# Altium PCB MotherBoard_Layout.PcbDoc (part 1 of 2) (continued)
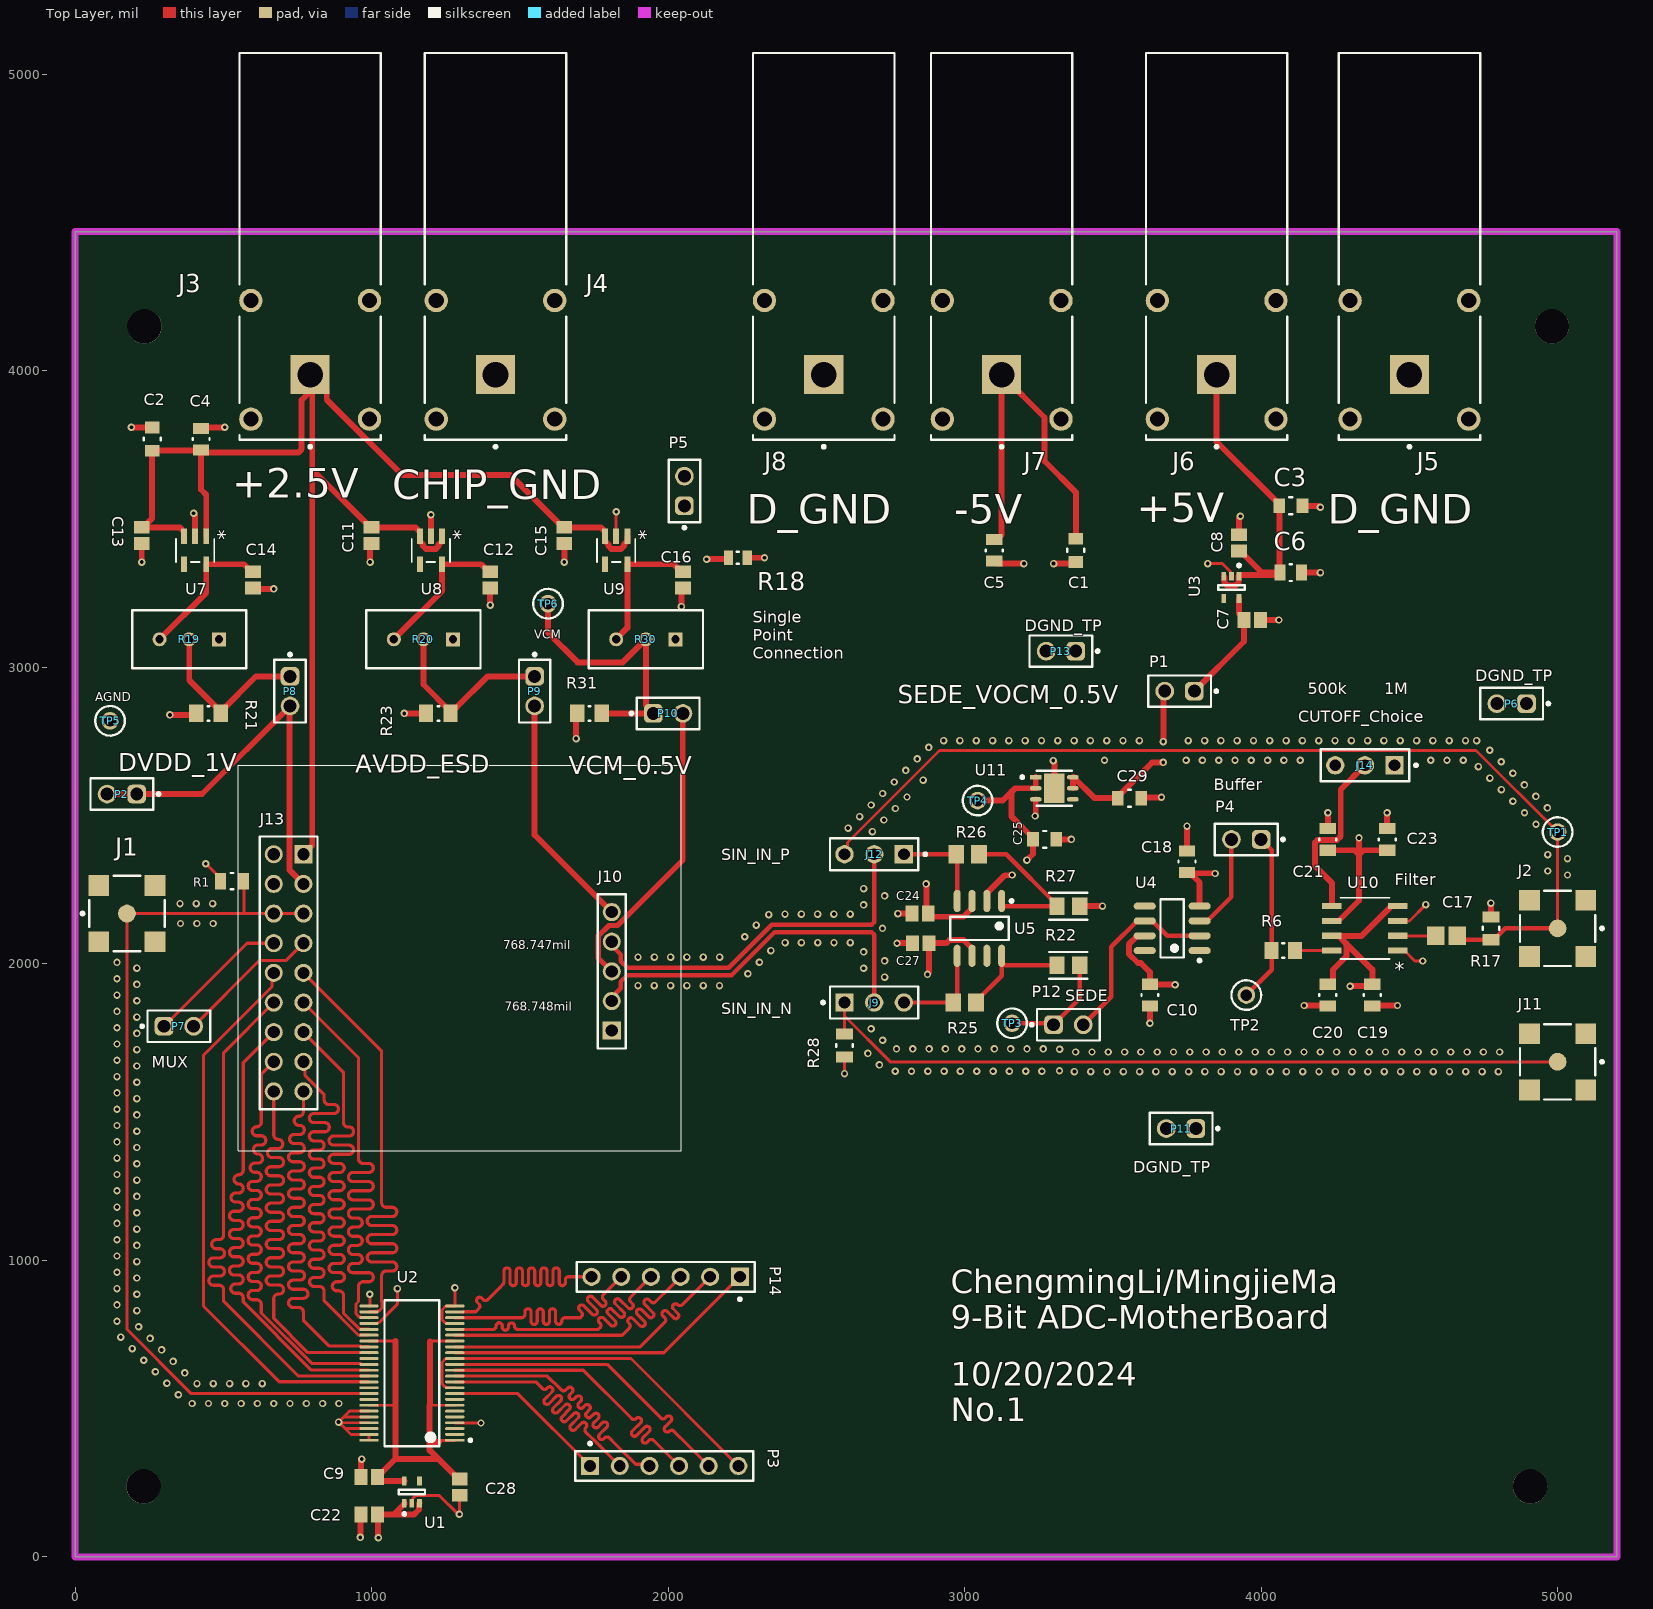
[diagram p0: Top Layer view]
## Design rules (kind name [scope] priority, off if disabled: settings) (continued)
Width "Schematic Width Constraint_3" [InNet('-5')] p4: maxlimit=100 minlimit=10 preferedwidth=40 toplayer_minwidth=20 midlayer1_maxwidth=10 midlayer1_prefwidth=10 midlayer2_maxwidth=10 midlayer2_prefwidth=10 bottomlayer_minwidth=20 minimp=50.000000 maximp=50.000000 favimp=50.000000
Width "Schematic Width Constraint_2" [InNet('+5')] p5: maxlimit=100 minlimit=10 preferedwidth=20 toplayer_minwidth=20 midlayer1_maxwidth=10 midlayer1_prefwidth=10 midlayer2_maxwidth=10 midlayer2_prefwidth=10 bottomlayer_minwidth=20 minimp=50.000000 maximp=50.000000 favimp=50.000000
Width "Schematic Width Constraint_1" [InNet('VDD_2.5V')] p6: maxlimit=100 minlimit=10 preferedwidth=20 toplayer_minwidth=20 midlayer1_maxwidth=10 midlayer1_prefwidth=10 midlayer2_maxwidth=10 midlayer2_prefwidth=10 bottomlayer_minwidth=20 minimp=50.000000 maximp=50.000000 favimp=50.000000
Width "Schematic Width Constraint" [InNet('SEDE_0.5V')] p7: maxlimit=100 minlimit=10 preferedwidth=20 toplayer_minwidth=20 midlayer1_maxwidth=10 midlayer1_prefwidth=10 midlayer2_maxwidth=10 midlayer2_prefwidth=10 bottomlayer_minwidth=20 minimp=50.000000 maximp=50.000000 favimp=50.000000
Width [All] p8: maxlimit=100 minlimit=10 preferedwidth=10 minimp=50.000000 maximp=50.000000 favimp=50.000000
25 further rules are at their usual default settings.

## Classes and differential pairs
net class Code: Code0 Code1 Code2 Code3 Code4 Code5 Code6 Code7 Code8 EOC
net class Buffer_OUT: Code0_BufferOut Code1_BufferOut Code2_BufferOut Code3_BufferOut Code4_BufferOut Code5_BufferOut Code6_BufferOut Code7_BufferOut Code8_BufferOut EOC_BufferOut
net class INPUT_Signal: V_SIN_IN_N
net class CLK: CLK_IN
differential pair IN_T12: +IN_T12_P -IN_T12_N

## Components (designator, comment, footprint, x,y, rotation, side; value= is the part's Value field where it differs from the comment)
C1 "0805ZD106MAT2A" FP-0805-L_2_01_0_2-W_1_25-MFG 3375,3395 r270 top
C2 "0805ZD106MAT2A" FP-0805-L_2_01_0_2-W_1_25-MFG 260,3770 r90 top
C3 "0805ZD106MAT2A" FP-0805-L_2_01_0_2-W_1_25-MFG 4100,3545 r0 top
C4 "CC0805KRX7R8BB104" FP-CC0805-0_85-MFG 425,3770 r90 top value="100 nF"
C5 "CC0805KRX7R8BB104" FP-CC0805-0_85-MFG 3100,3395 r270 top value="100 nF"
C6 "CC0805KRX7R8BB104" FP-CC0805-0_85-MFG 4100,3320 r0 top value="100 nF"
C7 "0805ZC105KAZ2A" CAPC2013X140X50LL20T25 3970,3160 r180 top
C8 "0805ZC105KAZ2A" CAPC2013X140X50LL20T25 3925,3420 r270 top
C9 "0805ZC105KAZ2A" CAPC2013X140X50LL20T25 992,270 r0 top
C10 "CC0805KRX7R8BB104" FP-CC0805-0_85-MFG 3625,1895 r270 top value="100 nF"
C11 "0805ZC105KAZ2A" CAPC2013X140X50LL20T25 1000,3445 r90 top
C12 "0805ZC105KAZ2A" CAPC2013X140X50LL20T25 1400,3295 r90 top
C13 "0805ZC105KAZ2A" CAPC2013X140X50LL20T25 225,3445 r90 top
C14 "0805ZC105KAZ2A" CAPC2013X140X50LL20T25 600,3295 r90 top
C15 "0805ZC105KAZ2A" CAPC2013X140X50LL20T25 1650,3445 r90 top
C16 "0805ZC105KAZ2A" CAPC2013X140X50LL20T25 2050,3295 r90 top
C17 "VJ0805D561KXBAJ" CAPC2013X145X48ML20T23 4625,2095 r180 top
C18 "CC0805KRX7R8BB104" FP-CC0805-0_85-MFG 3750,2345 r90 top value="100 nF"
C19 "CC0805KRX7R8BB104" FP-CC0805-0_85-MFG 4375,1895 r270 top value="100 nF"
C20 "CC0805KRX7R9BB103" FP-CC0805-0_85-MFG 4225,1895 r270 top value="10 nF"
C21 "CC0805KRX7R9BB103" FP-CC0805-0_85-MFG 4225,2420 r90 top value="10 nF"
C22 "0805ZC105KAZ2A" CAPC2013X140X50LL20T25 992,143 r0 top
C23 "CC0805KRX7R8BB104" FP-CC0805-0_85-MFG 4425,2420 r90 top value="100 nF"
C24 "0805ZC105KAZ2A" CAPC2013X140X50LL20T25 2850,2170 r0 top
C25 "0805ZD106MAT2A" FP-0805-L_2_01_0_2-W_1_25-MFG 3270,2420 r0 top
C27 "0805ZC105KAZ2A" CAPC2013X140X50LL20T25 2852,2070 r0 top
C28 "0805ZC105KAZ2A" CAPC2013X140X50LL20T25 1297,236 r90 top
C29 "0805ZD106MAT2A" FP-0805-L_2_01_0_2-W_1_25-MFG 3556,2559 r0 top
J1 "73251-1350" FP-73251-1350-MFG 175,2170 r0 top
J2 "73251-1350" FP-73251-1350-MFG 5000,2120 r180 top
J3 "73099-2" FP-73099-2-MFG 793,4420 r90 top
J4 "73099-2" FP-73099-2-MFG 1418,4420 r90 top
J5 "73099-2" FP-73099-2-MFG 4500,4420 r90 top
J6 "73099-2" FP-73099-2-MFG 3850,4420 r90 top
J7 "73099-2" FP-73099-2-MFG 3125,4420 r90 top
J8 "73099-2" FP-73099-2-MFG 2525,4420 r90 top
J9 "22-10-2031" FP-22-10-2031-MFG 2695,1870 r0 top
J10 "SSW-105-01-T-S" SMTC-SSW-105-01-X-S 1810,1775 r90 top
J11 "73251-1350" FP-73251-1350-MFG 5000,1670 r180 top
J12 "22-10-2031" FP-22-10-2031-MFG 2695,2370 r180 top
J13 "SSW-109-01-T-D" SMTC-SSW-109-01-X-D 770,2370 r270 top
J14 "22-10-2031" FP-22-10-2031-MFG 4350,2670 r180 top
MP1 "1921B" FP-1921B-MFG 4907,238 r180 bottom
MP2 "1921B" FP-1921B-MFG 4981,4150 r180 bottom
MP3 "1921B" FP-1921B-MFG 231,238 r180 bottom
MP4 "1921B" FP-1921B-MFG 234,4150 r180 bottom
P1 "61300211121" 61300211121 3725,2920 r180 top
P2 "61300211121" 61300211121 158,2573 r180 top
P3 "TSW-106-07-S-S" SMTC-TSW-106-07-S-S_V 1987,307 r0 top
P4 "61300211121" 61300211121 3950,2420 r180 top
P5 "61300211121" 61300211121 2055,3595 r90 top
P6 "61300211121" 61300211121 4845,2878 r180 top
P7 "61300211121" 61300211121 350,1790 r0 top
P8 "61300211121" 61300211121 725,2920 r270 top
P9 "61300211121" 61300211121 1550,2920 r270 top
P10 "61300211121" 61300211121 2000,2845 r0 top
P11 "61300211121" 61300211121 3730,1445 r180 top
P12 "61300211121" 61300211121 3350,1795 r0 top
P13 "61300211121" 61300211121 3325,3055 r180 top
P14 "TSW-106-07-S-S" SMTC-TSW-106-07-S-S_V 1992,945 r180 top
R1 "CRCW080550R0FKTA" FP-D12-CRCW0805-MFG 529,2279 r180 top
R6 "RC0805FR-071KL" RESC2013X60X35ML10T20 4075,2045 r180 top
R17 "CRCW080550R0FKTA" FP-D12-CRCW0805-MFG 4775,2120 r90 top
R18 "RC0805JR-100RL" RESC2013X60X35LL10T20 2235,3370 r0 top
R19 "3296W-1-253LF" FP-3296W-MFG 385,3094.8 r90 top
R20 "3296W-1-253LF" FP-3296W-MFG 1175,3094.8 r90 top
R21 "CRCW080510K0FKEA" FP-CRCW0805-e3-IPC_A 450,2845 r180 top
R22 "CRCW0805100RFKEAHP" FP-CRCW0805-HPe3-IPC_A 3350,1995 r180 top
R23 "CRCW080510K0FKEA" FP-CRCW0805-e3-IPC_A 1225,2845 r180 top
R25 "ERJ-6ENF2000V" RESC2013X70X40ML20T20 3000,1870 r180 top value=200ohm
R26 "ERJ-6ENF2000V" RESC2013X70X40ML20T20 3010,2370 r180 top value=200ohm
R27 "CRCW0805100RFKEAHP" FP-CRCW0805-HPe3-IPC_A 3350,2195 r180 top
R28 "CRCW080550R0FKTA" FP-D12-CRCW0805-MFG 2595,1725 r90 top
R30 "3296W-1-253LF" FP-3296W-MFG 1925,3094.8 r90 top
R31 "CRCW080510K0FKEA" FP-CRCW0805-e3-IPC_A 1735,2845 r180 top
TP1 "5003" KSTN-5003 5000,2445 r0 top
TP2 "5003" KSTN-5003 3950,1895 r270 top
TP3 "5003" KSTN-5003 3160,1800 r0 top
TP4 "5003" KSTN-5003 3044,2551 r0 top
TP5 "5003" KSTN-5003 118,2820 r0 top
TP6 "5003" KSTN-5003 1595,3215 r0 top
U1 "MIC5365-2.5YC5-TR" FP-SC70-5LD-PL-1-MFG 1136,219 r90 top
U2 "SN74LVC16244ADGGR" FP-DGG0048A-IPC_B 1136,620 r180 top
U3 "MIC5365-2.5YC5-TR" FP-SC70-5LD-PL-1-MFG 3900,3270 r270 top
U4 "LT1360CS8#PBF" LT-S8-8_L 3700,2120 r180 top
U5 "ADA4940-1ARZ" ADI-R-8_L 3050,2120 r270 top
U7 "TPL503115-S5TR" SOT23-5-A_TPK 405,3395 r270 top
U8 "TPL503115-S5TR" SOT23-5-A_TPK 1200,3395 r270 top
U9 "TPL503115-S5TR" SOT23-5-A_TPK 1825,3395 r270 top
U10 "LTC1560-1CS8PBF" SO-8_S_LIT-M 4350,2120 r180 top
U11 "LD39200PUR" FP-DFN6-7946637-IPC_A 3302.86,2592.6 r0 top

## Footprints (in the part's own frame and the unit in brackets; to place one, negate y for a bottom-side part, rotate by r counter-clockwise, add the part's x,y. Pads: shape width x height; smd on the part's side, far side on the other; paste and mask are expansions set on the pad)
61300211121 [mm] "Pin Header, pitch 2.54 mm, THT, Vertical, single row, 2p"
  rrect50% 1.6x1.6 hole 1.1: 1(-1.27,0)
  round 1.6 hole 1.1: 2(1.27,0)
  silkscreen extent -3.26,-1.35 2.69,1.35, body extent -2.54,-1.27 2.54,1.27, height 8.57
ADI-R-8_L [mm] "SOIC, 8-Leads, Body 4.9x3.9mm, Pitch 1.27mm, IPC High Density"
  oval 1.9x0.6 smd: 1(-2.35,1.905) 2(-2.35,0.635) 3(-2.35,-0.635) 4(-2.35,-1.905) 5(2.35,-1.905) 6(2.35,-0.635) 7(2.35,0.635) 8(2.35,1.905)
  silkscreen extent -2.47,-2.5 1,2.88, body extent -2,-2.5 2,2.5, height 1.75
CAPC2013X140X50LL20T25 [mm] "Chip Capacitor, 2-Leads, Body 2.00x1.25mm, IPC High Density"
  rect 1.1x1.35 smd: 1(-0.7,0) 2(0.7,0)
  body extent -1.1,-0.72 1.1,0.72, height 1.4
CAPC2013X145X48ML20T23 [mm] "Chip Capacitor, 2-Leads, Body 2.00x1.25mm, IPC Low Density"
  rect 1.5x1.55 smd: 1(-0.925,0) 2(0.925,0)
  body extent -1.1,-0.72 1.1,0.72, height 1.45
FP-22-10-2031-MFG [mm]
  rect 1.57x1.57 hole 1.02 paste-1000 mask+0: 1(-2.54,0)
  round 1.57 hole 1.02 paste-1000 mask+0: 2(0,0) 3(2.54,0)
  silkscreen extent -4.5,-1.37 3.78,1.37, body extent -3.89,-1.47 3.89,1.47, height 0.25
FP-0805-L_2_01_0_2-W_1_25-MFG [mm]
  rect 1x1.25 smd paste+0 mask+0: 1(-1,0) 2(1,0)
  silkscreen extent -0.13,-0.72 0.13,0.72, body extent -1.6,-0.82 1.6,0.82, height 0.25
FP-1921B-MFG [mil]
  round 116 hole 116 unplated paste-39370.1 mask+0: ""(0,0)
  silkscreen extent -147,-147 147,147, body extent -144,-125 144,125, height 505
FP-3296W-MFG [mm]
  rect 1.2x1.2 hole 0.7 paste-1000 mask+0: 1(0.005,-2.54)
  round 1.2 hole 0.7 paste-1000 mask+0: 2(0.005,0) 3(0.005,2.54)
  silkscreen extent -2.48,-4.89 2.48,4.89, body extent -2.58,-4.99 2.58,4.99, height 0.25
FP-73099-2-MFG [mm]
  rect 3.35x3.35 hole 2.2 paste-1000 mask+0: 1(-10.986,0)
  round 2 hole 1.3 paste-1000 mask+0: 2(-14.795,5.08) 3(-4.635,5.08) 4(-14.795,-5.08) 5(-4.635,-5.08)
  silkscreen extent -17.29,-6.06 16.56,6.06, body extent -16.66,-6.18 16.66,6.18, height 0.25
FP-73251-1350-MFG [mil]
  round 60 smd paste+0 mask+0: 1(0,0)
  rect 70x70 smd paste+0 mask+0: 2(-95,95) 3(95,95) 4(-95,-95) 5(95,-95)
  silkscreen extent -155,-127 127,127, body extent -134,-134 134,134, height 10
FP-CC0805-0_85-MFG [mm]
  rect 0.95x1.4 smd paste+0 mask+0: 1(-0.925,0) 2(0.925,0)
  silkscreen extent -0.08,-0.72 0.08,0.72, body extent -1.6,-1.05 1.6,1.05, height 0.25
FP-CRCW0805-e3-IPC_A [mil]
  rect 47.5x59.38 smd paste+0 mask+0: 1(-41.37,0) 2(41.37,0)
  silkscreen extent -3,-25 3,25, body extent -85,-49 85,49, height 10
FP-CRCW0805-HPe3-IPC_A [mil]
  rect 51.42x59.38 smd paste+0 mask+0: 1(-38.43,0) 2(38.43,0)
  silkscreen extent -64,-45 64,45, body extent -84,-49 84,49, height 10
FP-D12-CRCW0805-MFG [mm]
  rect 0.95x1.45 smd paste+0 mask+0: 1(-0.975,0) 2(0.975,0)
  silkscreen extent -0.13,-0.7 0.13,0.7, body extent -1.55,-0.82 1.55,0.82, height 0.25
FP-DFN6-7946637-IPC_A [mm]
  rect 1.01x0.381 smd paste+0 mask+0: 1(-1.597,0.95)
  rrect100% 1.01x0.381 smd paste+0 mask+0: 2(-1.597,0) 3(-1.597,-0.95) 4(1.578,-0.95) 5(1.578,0) 6(1.578,0.95)
  rect 1.75x2.5 smd paste-1000 mask+0: 7(0,0)
  silkscreen extent -2.88,-1.5 1.5,1.5, body extent -2.46,-2 2.46,2, height 0.25
FP-DGG0048A-IPC_B [mm]
  rect 1.655x0.252 smd paste+0 mask+0: 1(-3.675,5.75)
  rrect100% 1.655x0.252 smd paste+0 mask+0: 2(-3.675,5.25) 3(-3.675,4.75) 4(-3.675,4.25) 5(-3.675,3.75) 6(-3.675,3.25) 7(-3.675,2.75) 8(-3.675,2.25) 9(-3.675,1.75) 10(-3.675,1.25) 11(-3.675,0.75) 12(-3.675,0.25) 13(-3.675,-0.25) 14(-3.675,-0.75) 15(-3.675,-1.25) 16(-3.675,-1.75) 17(-3.675,-2.25) 18(-3.675,-2.75) 19(-3.675,-3.25) 20(-3.675,-3.75) 21(-3.675,-4.25) 22(-3.675,-4.75) 23(-3.675,-5.25) 24(-3.675,-5.75) 25(3.675,-5.75) 26(3.675,-5.25) 27(3.675,-4.75) 28(3.675,-4.25) 29(3.675,-3.75) 30(3.675,-3.25) 31(3.675,-2.75) 32(3.675,-2.25) 33(3.675,-1.75) 34(3.675,-1.25) 35(3.675,-0.75) 36(3.675,-0.25) 37(3.675,0.25) 38(3.675,0.75) 39(3.675,1.25) 40(3.675,1.75) 41(3.675,2.25) 42(3.675,2.75) 43(3.675,3.25) 44(3.675,3.75) 45(3.675,4.25) 46(3.675,4.75) 47(3.675,5.25) 48(3.675,5.75)
  silkscreen extent -5.13,-6.25 2.35,6.25
FP-SC70-5LD-PL-1-MFG [mm]
  rect 0.75x0.4 smd paste+0 mask+0: 1(-0.95,0.65) 2(-0.95,0) 3(-0.95,-0.65) 4(0.95,-0.65) 5(0.95,0.65)
  silkscreen extent -2,-1.12 0.2,1.12, body extent -1.43,-1.22 1.43,1.22, height 0.25
KSTN-5003 [mm] "Test Point, Through Hole, Dia 2.54mm"
  round 1.5 hole 1: 1(0,0)
  silkscreen extent -1.27,-1.27 1.27,1.27, body extent -1.27,-1.27 1.27,1.27, height 4.57
LT-S8-8_L [mm] "SOIC, 8-Leads, Body 4.9x3.9mm, Pitch 1.27mm, IPC High Density"
  oval 1.9x0.6 smd: 1(-2.35,1.905) 2(-2.35,0.635) 3(-2.35,-0.635) 4(-2.35,-1.905) 5(2.35,-1.905) 6(2.35,-0.635) 7(2.35,0.635) 8(2.35,1.905)
  silkscreen extent -2.48,-2.5 1,2.88, body extent -2,-2.5 2,2.5, height 1.76
RESC2013X60X35LL10T20 [mm] "Chip Resistor, 2-Leads, Body 2.1x1.35mm, IPC High Density"
  rect 0.8x1.25 smd: 1(-0.8,0) 2(0.8,0)
  silkscreen extent -0.1,-0.53 0.1,0.53, body extent -1.05,-0.67 1.05,0.68, height 0.6
RESC2013X60X35ML10T20 [mm] "Chip Resistor, 2-Leads, Body 2.1x1.35mm, IPC Low Density"
  rect 1.2x1.45 smd: 1(-1,0) 2(1,0)
  silkscreen extent -0.1,-0.63 0.1,0.63, body extent -1.05,-0.68 1.05,0.67, height 0.6
RESC2013X70X40ML20T20 [mm] "Chip Resistor, 2-Leads, Body 2.00x1.25mm, IPC Low Density"
  rect 1.35x1.55 smd: 1(-0.975,0) 2(0.975,0)
  body extent -1.1,-0.72 1.1,0.72, height 0.7
SMTC-SSW-105-01-X-S [mm] "SQ Post Socket, 1x5 Pins, Vertical, 2.54mm Pitch, Female"
  rect 1.55x1.55 hole 1.04: 1(0,0)
  round 1.55 hole 1.04: 2(2.54,0) 3(5.08,0) 4(7.62,0) 5(10.16,0)
  silkscreen extent -1.53,-1.2 11.69,1.2, body extent -1.52,-1.21 11.68,1.21, height 8.51
SMTC-SSW-109-01-X-D [mm] "SQ Post Socket, 2x9 Pins, Vertical, 2.54mm Pitch, Female"
  rect 1.55x1.55 hole 1.04: 1(0,0)
  round 1.55 hole 1.04: 2(0,-2.54) 3(2.54,0) 4(2.54,-2.54) 5(5.08,0) 6(5.08,-2.54) 7(7.62,0) 8(7.62,-2.54) 9(10.16,0) 10(10.16,-2.54) 11(12.7,0) 12(12.7,-2.54) 13(15.24,0) 14(15.24,-2.54) 15(17.78,0) 16(17.78,-2.54) 17(20.32,0) 18(20.32,-2.54)
  silkscreen extent -1.53,-3.74 21.85,1.2, body extent -1.52,-3.75 21.84,1.21, height 8.51
SMTC-TSW-106-07-S-S_V [mm] "Header, 6-Leads, Body 15.24x2.54mm, Pitch 2.54mm"
  rect 1.55x1.55 hole 1.02: 1(-6.35,0)
  round 1.55 hole 1.02: 2(-3.81,0) 3(-1.27,0) 4(1.27,0) 5(3.81,0) 6(6.35,0)
  silkscreen extent -7.62,-1.27 7.62,2.04, body extent -7.62,-1.27 7.75,1.27, height 8.38
SO-8_S_LIT-M [mil]
  rect 65.5x21 smd paste+0 mask+0: 1(-111.25,75) 2(-111.25,25) 3(-111.25,-25) 4(-111.25,-75) 5(111.25,-75) 6(111.25,-25) 7(111.25,25) 8(111.25,75)
  silkscreen extent -84,-104 84,104, body extent -122,-99 122,99, height 69
SOT23-5-A_TPK [mil]
  rect 52x20 smd paste+0 mask+0: 1(-47,37.4) 2(-47,0) 3(-47,-37.4) 4(47,-37.4) 5(47,37.4)
  silkscreen extent -39,-65 39,65, body extent -59,-59 59,59, height 49

## Part data
C1 C2 C3 C25 C29: library part CMP-2007-04682-2, "General Purpose Ceramic Capacitor, 0805, 10uF, 20%, X5R, 15%, 10V", Capacitance=10uF, Case Code (Imperial)=0805, Case Code (Metric)=2012, Dielectric=X5R, Dielectric Material=Ceramic, Insulation Resistance=10GR, Max Operating Temperature=85°C, Min Operating Temperature=-55°C, Package Quantity=3000, Tolerance=20%, Voltage=10V, Case/Package=0805, Construction=Flat, Contact Plating=Tin, Depth=1.25mm, Dissipation Factor=12.5%, Height=1.3mm, Lead Free="Lead Free", Length=2.01mm, Mount="Surface Mount", Number of Pins=2, Packaging="Tape and Reel", Radiation Hardening=No, REACH SVHC="No SVHC", RoHS Compliant=Yes, Series=-, Termination=SMD/SMT, Thickness=0.055inch, Voltage Rating=10V, Voltage Rating (DC)=10V, Width=0.049inch
C4 C5 C6 C10 C18 C19 C23: library part CMP-1036-04410-2, "CAP CER 0.1UF 25V X7R 0805", Capacitance="100 nF", Manufacturer=Yageo, Package=CC0805-0.85, Temperature="-30°C to +85°C", Temperature Characteristic=X7R, Temperature Range High=+85°C, Temperature Range Low=-30°C, Tolerance=0.1, Voltage Rating="25 V", Automotive=No, Category=Cap, ComponentLink2Description=Datasheet, ComponentLink2URL=http://www.yageo.com/documents/recent/UPY-GPHC_Y5V_6.3V-to-50V_8.pdf, Device Class L1="Passive Components", Device Class L2=Capacitors, Device Class L3="Ceramic Capacitors", Digikey Description="CAP CER 0.1UF 25V X7R 0805", Footprint Url=http://www.yageo.com/exep/pages/download/literatures/UPY-C_GEN_24.pdf, Height=0.95mm, Ipc Land Pattern Name=CAPC200125X85, Lead Free=Yes, Manufacturer Part Number=CC0805KRX7R8BB104, Material=Ceramic, Mouser Description="Multilayer Ceramic Capacitors MLCC - SMD/SMT 100nF 25V X7R 10%", Octopart=https://octopart.com/cc0805krx7r8bb104-yageo-39467766, RoHS=TRUE
C7 C8 C9 C11 C12 C13 C14 C15 C16 C22 C24 C27 C28: library part CMP-2007-04674-1, Manufacturer="AVX Interconnect / Elco", Part Number=0805ZC105KAZ2A
C17: library part CMP-2007-03149-1, Manufacturer=Vitramon, Part Number=VJ0805D561KXBAJ
C20 C21: library part CMP-1036-03842-3, "CAP CER 10000PF 50V X7R 0805", Capacitance="10 nF", Manufacturer=Yageo, Package=CC0805-0.85, Temperature="-30°C to +85°C", Temperature Characteristic=X7R, Temperature Range High=+85°C, Temperature Range Low=-30°C, Tolerance=0.1, Voltage Rating="50 V", Automotive=No, Category=Cap, ComponentLink2Description=Datasheet, ComponentLink2URL=http://www.yageo.com/documents/recent/UPY-GPHC_Y5V_6.3V-to-50V_8.pdf, Device Class L1="Passive Components", Device Class L2=Capacitors, Device Class L3="Ceramic Capacitors", Digikey Description="CAP CER 10000PF 50V X7R 0805", Footprint Url=http://www.yageo.com/exep/pages/download/literatures/UPY-C_GEN_24.pdf, Height=0.95mm, Ipc Land Pattern Name=CAPC200125X85, Lead Free=Yes, Manufacturer Part Number=CC0805KRX7R9BB103, Material=Ceramic, Mouser Description="Multilayer Ceramic Capacitors MLCC - SMD/SMT 10nF 50V X7R 10%", Octopart=https://octopart.com/cc0805krx7r9bb103-yageo-192989, RoHS=TRUE
J1 J2 J11: library part CMP-04764-000006-1, "CONN SMA JACK STR 50 OHM SMD", Frequency=18GHz, Manufacturer=Molex, Temperature="-65°C to +165°C", Temperature Range High=+165°C, Temperature Range Low=-65°C, Voltage Rating=500V, Automotive=No, Category=Conn, ComponentLink2Description=Datasheet, ComponentLink2URL=https://www.molex.com/pdm_docs/sd/732511350_sd.pdf, Conn Orientation=Straight, Contact Material=Gold, Device Class L1=Connectors, Device Class L2="RF / Coaxial Connectors", Device Class L3=unset, Digikey Description="CONN SMA JACK STR 50 OHM SMD", Footprint Url=https://forum.upverter.com/uploads/default/original/3X/d/a/daeafa2ce4908d4fc4e49f0b17d7d2c986fce444.pdf, Height=9.655mm, Impedance=50Ω, Is Female=yes, Lead Free=Yes, Manufacturer Part Number=73251-1350, Mouser Description="RF Connectors / Coaxial Connectors SMA ST PCB-JCK STD SMT", Number of Contacts=1, Octopart=https://octopart.com/73251-1350-molex-5414390, Package=73251-1350, RoHS=TRUE, Shielding=true, Standoff Height=0.41mm
J3 J4 J5 J6 J7 J8: library part CMP-73906-000005-1, "R/A 4MM MOUNTG SAFE JACK/PCB RED"
J9 J12 J14: library part CMP-04776-000653-1, "CONN HEADER VERT 3POS 2.54MM", Color=White, Contact Resistance=10mR, Current Rating=4A, Flammability Rating="UL94 V-0", Insulation Resistance=50GR, Max Operating Temperature=75°C, Max Voltage Rating (AC)=250V, Min Operating Temperature=0°C, Package Quantity=2000, Approvals=UL, Contact Material=Brass, Contact Mating Length=0.295inch, Contact Plating=Gold, Contact Type="Male Pin", Depth=2.34mm, Gender=Male, Glow Wire Compliant=Non-compliant, Halogen Free="Low Halogen", Height=10.79mm, Housing Color=White, Housing Material=Nylon, Lead Free="Lead Free", Length=7.37mm, Max Current Rating=4A, Mount="Through Hole", Number of Circuits=3, Number of Contacts=3, Number of Positions=3, Number of Rows=1, Orientation=Straight, Packaging=Bulk, Pitch=2.54mm, Radiation Hardening=No, Series="KK® 4030", Termination=Solder, Voltage Rating=250V, Voltage Rating (DC)=250V
J10: library part CMP-1023-00345-1, "SQ Post Socket, Through-hole, Vertical, -55 to 105 degC, 2.54mm Pitch, 5-Pin, Female, RoHS", Manufacturer=Samtec, Temperature Range="-55 to 105 degC", ComponentLink1Description="Manufacturer URL", ComponentLink1URL=http://www.samtec.com, ComponentLink2Description=Datasheet, ComponentLink2URL=http://www.samtec.com/documents/webfiles/pdf/SSW_TH.PDF, ComponentLink3Description="Package Specification", ComponentLink3URL=http://www.samtec.com/documents/webfiles/cpdf/SSW-1XX-XX-XXX-X-XX-XXX-XX-MKT.pdf, DatasheetVersion=F-214, Mounting Technology=Through-hole, Orientation=Vertical, PackageDescription="Assembly, Socket Strip .016 X .031 Tail", PackageReference=SSW-105-01-X-S, PackageVersion="CA, 6/1987", PartNumber=SSW-105-01-T-S, Pitch="2.54 mm", RoHS=True
J13: library part CMP-1023-00387-1, "SQ Post Socket, Through-hole, Vertical, -55 to 105 degC, 2.54mm Pitch, 18-Pin, Female, RoHS", Manufacturer=Samtec, Temperature Range="-55 to 105 degC", ComponentLink1Description="Manufacturer URL", ComponentLink1URL=http://www.samtec.com, ComponentLink2Description=Datasheet, ComponentLink2URL=http://www.samtec.com/documents/webfiles/pdf/SSW_TH.PDF, ComponentLink3Description="Package Specification", ComponentLink3URL=http://www.samtec.com/documents/webfiles/cpdf/SSW-1XX-XX-XXX-X-XX-XXX-XX-MKT.pdf, DatasheetVersion=F-214, Mounting Technology=Through-hole, Orientation=Vertical, PackageDescription="Assembly, Socket Strip .016 X .031 Tail", PackageReference=SSW-109-01-X-D, PackageVersion="CA, 6/1987", PartNumber=SSW-109-01-T-D, Pitch="2.54 mm", RoHS=True
MP1 MP2 MP3 MP4: library part CMP-00214-00374361-1, "1921B Standoff, 1/4 Hex, Female, Threaded 4-40, Length .500, Stainless Steel", Color=Natural, Diameter=6.35mm, Gender="Female, Female", Height=12.827mm, Lead Free="Lead Free", Length=12.7mm, Material="Stainless Steel", NexarPartId=374361, Outside Diameter=6.35mm, RoHS=Compliant, Shape=Hex, Threaded/Unthreaded=Threaded, Width=6.35mm
P1 P2 P4 P5 P6 P7 P8 P9 P10 P11 P12 P13: library part CMP-1712-00002-6, Color=Black, Contact Resistance=20mΩ, Current Rating=3A, Max Operating Temperature=125°C, Min Operating Temperature=-40°C, Operating Supply Voltage=250V, Connector Type="Male Pin", Contact Gender=Male, Contact Material=Copper, Contact Mating Length=5.9944mm, Contact Plating=Gold, Gender=Male, Height=8.94mm, Housing Material=PBT, Lead Free="Lead Free", Lead Pitch=2.54mm, Mount="Through Hole", NexarPartId=20081794, Number of Contacts=2, Number of Pins=2, Number of Positions=2, Number of Rows=1, Orientation=Vertical, Packaging=Bulk, Pitch=2.54mm, REACH SVHC="No SVHC", RoHS=Compliant, Termination="Through Hole", Voltage Rating=250V
P3 P14: library part CMP-1681-00007-2, "Male Header, Pitch 2.54 mm, 1 x 6 Position, Height 8.38 mm, Tail Length 2.54 mm, -55 to 125 degC, RoHS, Bulk", Colour=Black, Manufacturer=Samtec, Max Operating Temperature="125 degC", Min Operating Temperature="-55 degC", Package Quantity=1, ComponentLink1Description="Manufacturer URL", ComponentLink1URL=http://www.samtec.com/, ComponentLink2Description=Datasheet, ComponentLink2URL=http://suddendocs.samtec.com/catalog_english/tsw_th.pdf, ComponentLink3Description="Package Specification", ComponentLink3URL=http://suddendocs.samtec.com/prints/tsw-xxx-xx-x-x-xx-xxx-footprint.pdf, Contact Finish=Gold, Contact Material=Bronze, Contact Plating=Gold, DatasheetVersion=12/2015, Height="8.38 mm", Lead Pitch="0.1 inch", Length="15.24 mm", Mount="Through Hole", Mounting Technology="Through Hole", PackageDescription="Male Header, Pitch 2.54 mm, 1 x 6 Position, Height 8.38 mm, Tail Length 2.54 mm", PackageReference=TSW-102-07-S-S, Packaging=Bulk, Pins=6, RoHSCompliant=true, Rows=1
R1 R17 R28: library part CMP-00030-21390498-1, "CRCW080550R0FKTA Res Thick Film 0805 50 Ohm 1% 0.125W(1/8W) ±100ppm/C Pad SMD Automotive T/R", Case Code (Imperial)=0805, Case Code (Metric)=2012, Max Operating Temperature=155°C, Min Operating Temperature=-55°C, Power Rating=125mW, Resistance=50Ω, Temperature Coefficient=100ppm/°C, Tolerance=1%, Voltage Rating=150V, Case/Package=0805, Composition="Thick Film", Contact Plating="Lead, Tin", Height=450µm, Lead Free="Contains Lead", Length=2mm, NexarPartId=21390498, RoHS=Non-Compliant, Weight=5.499807mg, Width=1.25mm
R6: library part CMP-2100-03671-1, "Chip Resistor, 1 KOhm, +/- 1%, 125 mW, -55 to 155 degC, 0805 (2012 Metric), RoHS, Tape and Reel", Case Code (Imperial)=0805, Case Code (Metric)=2012, Manufacturer=Yageo, Max Operating Temperature=155degC, Max Power Dissipation=125mW, Min Operating Temperature=-55degC, Package Description="2-Pin Surface Mounted Device, Body 2 x 1.25 mm", Package Quantity=1, Resistance=1KOhm, Temperature Coefficient=100ppm/degreesC, Tolerance=1%, Voltage Rating=150V, Case/Package=0805, Composition=ThickFilm, Datasheet URL=http://www.yageo.com/NewPortal/yageodocoutput?fileName=/pdf/R-Chip/PYu-RC_Group_51_RoHS_L_5.pdf, Datasheet Version="Rev. 5, 10/2016", Depth=1.25mm, Height=0.024inch, Lead Free=LeadFree, Length=0.079inch, Manufacturer URL=http://www.yageo.com/, Military Standard=Not, Number of Pins=2, Number of Terminations=2, Package Reference=0805, Packaging=TapeandReel, Power Rating=125mW, REACH SVHC=Unknown, RoHSCompliant=true, Termination=SMD/SMT, Voltage Rating (DC)=150V, Width=0.049inch
R18: library part CMP-2000-06963-1, "Chip Resistor, 0 Ohm, +/- 5%, 125 mW, -55 to 155 degC, 0805 (2012 Metric), RoHS, Tape and Reel", Case Style=Molded, Manufacturer=Yageo, Operating Temp Range=-55Cto155C, Package / Case=0805, Package Description="2-Pin Surface Mounted Device, Body 2 x 1.25 mm", Power Rating(s)=NotRequiredW, Temperature Coefficient=NotRequired, Construction=Rectangular, Datasheet URL=http://www.yageo.com/documents/recent/PYu-RC_Group_51_RoHS_L_7.pdf, Datasheet Version="Rev. 7, 05/2017", Failure Rate=NotRequired, Manufacturer URL=http://www.yageo.com/, Military Standard=NotRequired, Mounting Technology=SurfaceMount, Package Reference=0805, Packaging=TapeandReel, Product Depth (mm)=1.25mm, Product Height (mm)=0.5mm, Product Length (mm)=2mm, Termination Style=NotRequired, Tolerance (+ or -)=NotRequired, Type=ThickFilm
R19 R20 R30: library part CMP-07234-000034-1, "TRIMMER 25K OHM 0.5W PC PIN TOP", Color=Blue, Max Operating Temperature=125°C, Max Power Dissipation=500mW, Min Operating Temperature=-55°C, Package Quantity=50, Resistance=25kR, Resistance Tolerance=10%, Resistor Type=Cermet, Temperature Coefficient=100ppm/°C, Voltage Rating (DC)=300V, Depth=4.83mm, Height=0.395inch, Lead Free="Lead Free", Length=9.53mm, Military Standard=Not, Mount=Panel, Number of Turns=25, Packaging=Rail/Tube, Power Rating=500mW, Radiation Hardening=No, REACH SVHC="No SVHC", RoHS Compliant=Yes, Series=3296, Taper=Linear, Technology=CERMET, Termination=Pin, Tolerance=10%, Weight=0.03oz, Width=9.53mm
R21 R23 R31: library part CMP-2001-04908-2, "RES Thick Film, 10kΩ, 1%, 0.125W, 100ppm/°C, 0805", Case Code (Imperial)=0805, Case Code (Metric)=2012, Max Operating Temperature=155°C, Min Operating Temperature=-55°C, Package Quantity=5000, Power Rating=125mW, Resistance=10kR, Temperature Coefficient=100ppm/°C, Tolerance=1%, Voltage Rating=150V, Case/Package=0805, Composition="Thick Film", Contact Plating=Tin, Depth=1.25mm, Height=0.45mm, Lead Free="Lead Free", Length=2mm, Military Standard=Not, Packaging="Tape and Reel", Radiation Hardening=No, Termination=SMD/SMT, Voltage Rating (DC)=150V, Weight=0.000194oz, Width=1.25mm
R22 R27: library part CMP-02407-011702-1, "RES Thick Film, 100Ω, 1%, 0.5W, 100ppm/°C, 0805", Case Code (Imperial)=0805, Case Code (Metric)=2012, Max Operating Temperature=155°C, Max Power Dissipation=500mW, Min Operating Temperature=-55°C, Package Quantity=5000, Power Rating=330mW, Resistance=100R, Resistance Tolerance=1%, Resistor Type="Thick Film", Temperature Coefficient=100ppm/°C, Voltage Rating=150V, Case/Package=0805, Construction=Rectangular, Contact Plating=Tin, Depth=1.25mm, Features="Automotive AEC-Q200", Height=0.5mm, Lead Free="Lead Free", Length=2mm, Military Standard=Not, Mount="Surface Mount", Number of Terminations=2, Packaging="Tape and Reel", Radiation Hardening=No, RoHS Compliant=Yes, Series=CRCW-HP, Technology="THICK FILM", Termination=SMD/SMT, Tolerance=1%, Voltage Rating (DC)=150V, Weight=0.000194oz, Width=1.2mm
R25 R26: library part CMP-2001-00025-1, Manufacturer=Panasonic, Part Number=ERJ-6ENF2000V
TP1 TP2 TP3 TP4 TP5 TP6: library part CMP-1672-00009-1, "Test Point, Orange, 1-Pin THD, RoHS", Forward Current="3 A", Forward Voltage="1.08 V", Max Operating Temperature="150 degC", Max Surge Current="80 A", Min Operating Temperature="-65 degC", Package Quantity=500, Peak Reverse Current="600 uA", ComponentLink1Description="Manufacturer URL", ComponentLink1URL=http://www.keyelco.com/, ComponentLink2Description=Datasheet, ComponentLink2URL=http://keyelco.com/userAssets/file/M65p56.pdf, DatasheetVersion=Jun-15, Diameter="5.3 mm", Height="0.25 inch", Length="9.5 mm", Mount="Through Hole", PackageDescription="1-Pin Through Hole Device, Dia 2.54 mm", PackageReference=5003, Packaging=Bulk, Pins=2, Radiation Hardening=No, REACH SVHC="No SVHC", RoHSCompliant=true, Weight="0.01 lb", Width="0.25 inch"
U1 U3: library part CMP-06324-000051-1, "IC REG LINEAR 2.5V 150MA SC70-5", Case/Package=SC, Dropout Voltage=180mV, Max Input Voltage=5.5V, Max Operating Temperature=125°C, Max Output Current=150mA, Min Current Limit=200mA, Min Input Voltage=2.5V, Min Operating Temperature=-40°C, Output Voltage Accuracy=2%, Package Quantity=1, Power Supply Rejection Ratio (PSRR)=80dB, Quiescent Current=39uA, Lead Free="Lead Free", Min Output Voltage=2.5V, Mount="Surface Mount", Nominal Output Voltage=2.5V, Number of Outputs=1, Number of Pins=5, Number of Regulators=1, Output Current=150mA, Output Type=Fixed, Output Voltage=2.5V, Packaging="Tape and Reel", Polarity=Positive, Radiation Hardening=No, REACH SVHC="No SVHC", RoHS Compliant=Yes, Series=-
U2: library part CMP-0440-00473-4, "IC BUF NON-INVERT 3.6V 48TSSOP", Case/Package=TSSOP, High Level Output Current=-24mA, Low Level Output Current=24mA, Max Operating Temperature=125°C, Max Supply Voltage=3.6V, Min Operating Temperature=-40°C, Min Supply Voltage=1.65V, Package Quantity=2000, Quiescent Current=20uA, Contact Plating=Gold, Height=1.05mm, Lead Free="Lead Free", Length=12.6mm, Logic Function=Buffer, Mount="Surface Mount", Number of Bits=16, Number of Bits per Element=4, Number of Channels=16, Number of Elements=4, Number of Input Lines=16, Number of Inputs=16, Number of Output Lines=3, Number of Outputs=16, Number of Pins=48, Output Type=3-STATE, Packaging="Tape and Reel", Polarity=Non-Inverting, Propagation Delay=4.1ns, Radiation Hardening=No, REACH SVHC="No SVHC", RoHS Compliant=Yes, Schmitt Trigger Input=No, Series=74LVC, Technology=CMOS, Termination=SMD/SMT, Turn-On Delay Time=10.3ns, Width=6.2mm
U4: library part CMP-0359-02753-2, "Single Channel, High Speed Precision Operational Amplifier, 50 MHz Typical GBW, 800 V/us Typical SR, 3 to 36 V, 8-Pin SOIC (S8-8), Commerical, Pb-Free", Linear Technology Part Number=LT1360, Manufacturer="Linear Technology", Channels (#)=1, ComponentLink1Description="Manufacturer URL", ComponentLink1URL=http://www.linear.com/, ComponentLink2Description=Datasheet, ComponentLink2URL=http://cds.linear.com/docs/en/datasheet/1360fa.pdf, ComponentLink3Description="Package Specification", ComponentLink3URL=http://cds.linear.com/docs/en/packaging/05081610_G_SO8.pdf, DatasheetVersion="Rev. A", GBW (MHz) Typical=50, Is (mA) Typical=3.8, Mounting Technology="Surface Mount", PackageDescription="8-Pin Plastic Small Outline, Body 4.9 x 3.9 mm, Pitch 1.27 mm", PackageReference=LT-S8-8, PackageVersion="Rev G", PartNumber=LT1360CS8#PBF, RevisionNote="URLs updated", RoHS=Pb-Free, SR (V/us) Typical=800, Type=VFB, Vos (mV) Typical=0.3, Vs Max (V)=36, Vs Min (V)=3
U5: library part CMP-1331-00005-2, "Ultralow Power, Low Distortion Fully Differential ADC Driver, 3 to 6 V, -40 to 125 degC, 8-Pin SOIC_N (R-8), RoHS, Tube"
U7 U8 U9: "No Description Available", Mfr_Name=3Peak, RefDes=RefDes, Type=Type
U10: "No Description Available", Mfr_Name="Analog Devices Inc", RefDes=RefDes, Type=Type
U11: library part CMP-12153-000004-1, "IC REG LINEAR POS ADJ 2A 6DFN", Dropout Voltage=135mV, Manufacturer=STMicroelectronics, Max Junction Temp=+125°C, Max Supply Voltage=6V, Min Supply Voltage=1.25V, Nominal Supply Current=100-1000uA, Output Current=2A, Package=DFN6-7946637, Temperature="-40°C to +125°C", Temperature Range Low=-40°C, Accuracy Percentage=1%, Automotive=No, Category=IC, ComponentLink2Description=Datasheet, ComponentLink2URL=https://www.st.com/resource/en/datasheet/ld39200.pdf, Device Class L1="Integrated Circuits (ICs)", Device Class L2="Power Management ICs", Device Class L3="Voltage Regulators - Linear", Digikey Description="IC REG LINEAR POS ADJ 2A 6DFN", Height=1mm, Lead Free=Yes, Manufacturer Part Number=LD39200PUR, Number of Outputs=1, Octopart=https://octopart.com/ld39200pur-stmicroelectronics-77085816, Output Type=AdjustableProgrammable, RoHS=TRUE, Standoff Height=0mm, Temperature Range High=+125°C

## Via types
v1: diameter 25, hole 13, Top Layer to Bottom Layer, 326 vias

## Nets (pads, with @x,y where several pads share a name; then routed paths per layer and width w, separated by ;. In a path a pad name is that pad's centre, name@x,y a point inside that pad or via, vN(x,y) a via of type N, cw(c..) or ccw(c..) an arc to the next point about the centre after c; other vN are vias at no path point)
2.5V_Buffer: C9.2 C28.2 U1.5 U2.1 U2.7 U2.18 U2.31 U2.42 | length 1675.2
  Top Layer w10: U2.42@991.3,511.73 1079.29,511.73 1080.56,513 ; U2.31@991.3,728.27 1079.73,728.27 1080,728 ; 1197,727 1198.27,728.27 U2.18@1280.7,728.27 ; 1197.19,511.73 U2.7@1280.7,511.73 ; 1228,388 1233.59,393.59 U2.1@1280.7,393.62
  Top Layer w20: 1080,728 1080.56,727.44 1080.56,513 1080.56,331 ; U1.5@1110.41,256.4 1031.21,256.4 1019.56,268.06 C9.2@1019.56,270 1019.56,274.92 1031.21,286.57 1036.13,286.57 1080.56,331 ; 1197,727 1197.19,726.81 1197.19,511.73 1195.92,510.46 1195.92,376.28 ; 1228,388 1207.64,388 1195.92,376.28 ; C28.2@1297,263.56 1292.08,263.56 1224.64,331 ; 1080.56,331 1224.64,331 ; 1195.92,376.28 1195.92,359.72 1224.64,331
+5: C3.1 C6.1 C8.2 C10.1 C21.1 C22.2 C23.1 C24.2 J6.1 J14.3 U1.1 U1.3 U3.1 U3.3 U4.7 U5.3 U10.6 | length 2632.4
  Top Layer w20: v1(1023,65) 1022.04,65.96 1022.04,140.52 C22.2@1019.56,143 1074.45,143 ; U1.1@1110.41,181.6 1110.41,178.96 1074.45,143 ; U1.3@1161.59,181.6 1159.87,179.88 1159.87,160.21 1142.67,143 1074.45,143 ; v1(2870,2270) 2870.96,2269.04 2870.96,2176.6 2888.44,2159.12 2996.21,2159.12 3025,2187.91 U5.3@3025,2212.52 ; U4.7@3607.48,2095 3582.87,2095 3554.08,2066.21 3554.08,2033.48 3584.59,2002.97 3594.49,2002.97 3625,1972.46 C10.1@3625,1931.42 3625.71,1930.71 3709.29,1930.71 v1(3710,1930) ; J6.1@3850,3987.5 3850,3760.55 4060.63,3549.92 C3.1@4060.63,3545 4062.11,3543.52 4062.11,3321.48 C6.1@4063.58,3320 ; U3.3@3874.41,3307.4 3876.13,3305.69 3876.13,3286.01 3885.5,3276.64 3914.5,3276.64 3923.87,3286.01 3923.87,3308.32 3927.72,3312.17 4055.75,3312.17 C6.1@4063.58,3320 ; C8.2@3920.08,3392.44 C8.2@3925,3392.44 3929.92,3392.44 4002.36,3320 C6.1@4063.58,3320 ; C21.1@4225,2383.58 4314.7,2383.58 4330,2368.28 ; U10.6@4238.75,2145 4261,2145 4330,2214 4330,2368.28 ; v1(4330,2425) 4330,2368.28 ; C23.1@4425,2383.58 4345.3,2383.58 4330,2368.28
-5: C1.1 C5.1 C18.1 C19.1 C20.1 C27.2 J7.1 J14.1 U4.4 U5.6 U10.4 U10.7 | length 2464.6
  Top Layer w20: v1(2875,1965) 2875,1966.35 2879.56,1970.91 C27.2@2879.56,2070 2938.27,2070 2949.15,2080.88 2996.21,2080.88 3025,2052.09 U5.6@3025,2027.48 ; C5.1@3100,3431.42 3101.48,3432.89 3110.33,3432.89 3125,3447.56 J7.1@3125,3987.5 3269.63,3842.87 3269.63,3696.15 3375,3590.78 C1.1@3375,3434.37 C1.1@3373.52,3432.89 ; C18.1@3750,2308.58 3758.86,2308.58 C18.1@3761.48,2305.96 ; U4.4@3792.52,2195 3792.52,2274.92 C18.1@3761.48,2305.96 ; v1(3845,2305) 3844.04,2305.96 C18.1@3761.48,2305.96 ; C20.1@4225,1931.42 4233.86,1931.42 4242.56,1940.12 4242.56,1980.12 4287.5,2025.06 4287.5,2068.5 ; U10.7@4238.75,2095 U10.7@4261,2095 ; v1(4300,1925) 4300.96,1925.96 4369.54,1925.96 C19.1@4375,1931.42 4375,1981 4287.5,2068.5 ; U10.4@4461.25,2195 4439,2195 4339,2095 U10.7@4261,2095 ; U10.7@4261,2095 4287.5,2068.5
ADA4940_IN_N: R26.1 R27.2 U5.1 | length 537.3
  Top Layer w15: R26.1@3048.39,2370 3140.55,2370 3311.57,2198.98 R27.2@3311.57,2195 3133.14,2195 3125,2203.14 U5.1@3125,2212.52
ADA4940_IN_P: R22.2 R25.1 U5.8 | length 384.8
  Top Layer w15: R25.1@3038.39,1870 3038.39,1873.94 3125,1960.55 U5.8@3125,2006.66 ; U5.8@3125,2027.48 U5.8@3125,2006.66 ; R22.2@3311.57,1995 3136.66,1995 U5.8@3125,2006.66
ADA4940_Vout+: J12.1 R26.2 U5.4 | length 335.5
  Top Layer w15: J12.1@2795,2370 R26.2@2971.61,2370 2975,2366.61 U5.4@2975,2212.52
ADA4940_Vout-: J9.3 R25.2 U5.5 | length 329.6
  Top Layer w15: J9.3@2795,1870 R25.2@2961.61,1870 2975,1883.39 U5.5@2975,2027.48
AGND: C2.2 C4.2 C11.1 C12.1 C13.1 C14.1 C15.1 C16.1 J4.1 J10.1 J13.2 J13.4 P5.1 P5.2 R18.1 R19.1 R20.1 R21.2 R23.2 R30.1 R31.2 TP5.1 U7.2 U8.2 U9.2 | length 1096.6
  Top Layer w6: R21.2@403.63,2840 R21.2@408.63,2845 ; C14.1@600,3267.44 C14.1@602.44,3265 ; C11.1@995,3412.44 C11.1@1000,3417.44 ; R31.2@1690,2841.37 R31.2@1693.63,2845
  Top Layer w10: U9.2@1825,3442 v1(1825,3525)
  Top Layer w20: v1(190,3810) 190.32,3809.69 259.69,3809.69 C2.2@260,3809.37 ; v1(225,3355) C13.1@225,3417.44 ; v1(320,2840) R21.2@403.63,2840 ; v1(400,3520) 400,3518.65 405,3513.65 U7.2@405,3442 ; C4.2@425,3806.42 427.63,3809.04 504.04,3809.04 v1(505,3810) ; C14.1@602.44,3265 v1(670,3265) ; v1(995,3355) C11.1@995,3412.44 ; v1(1110,2845) R23.2@1183.63,2845 ; U8.2@1200,3442 v1(1200,3515) ; v1(1400,3210) C12.1@1400,3267.44 ; v1(1650,3355) C15.1@1650,3417.44 ; v1(1690,2760) R31.2@1690,2841.37 ; v1(2045,3205) 2045,3262.44 C16.1@2050,3267.44 ; v1(2130,3365) 2198.5,3365 R18.1@2203.5,3370
  other v1: 1898.38,1927.12 1953.38,1927.12 2008.38,1927.12 2063.38,1927.12 2118.38,1927.12 2173.38,1927.12 1898.59,2022.88 1953.59,2022.88 2008.59,2022.88 2063.59,2022.88 2118.59,2022.88 2173.59,2022.88
Buffer_After_Filter_IN: P4.2 U4.3 | length 334.5
  Top Layer w15: U4.3@3792.52,2145 3818.11,2145 3900,2226.89 P4.2@3900,2420
CLK_BufferOut: P3.1 U2.9 | length 557.4
  Top Layer w10.7: U2.9@1280.7,551.1 1492.9,551.1 P3.1@1737,307
CLK_IN: J1.1 J13.5 J13.6 R1.1 U2.40 | length 3013.2
  Top Layer w10.7: R1.1@567.39,2279 570,2276.39 570,2170 ; J13.5@770,2170 J13.6@670,2170 570,2170 ; U2.40@991.3,551.1 391.9,551.1 175,768 J1.1@175,2170 570,2170
Code0: J13.12 U2.37 | length 1885.6
  Top Layer w10.7: J13.12@670,1870 501,1701 501,1158 501,1085.57 cw(c485.65,1085.57) 485.65,1070.21 476.32,1070.21 ccw(c476.32,1054.86) 460.97,1054.86 ccw(c476.32,1054.86) 476.32,1039.51 488.65,1039.51 cw(c488.65,1024.16) 504,1024.16 cw(c488.65,1024.16) 488.65,1008.81 466.35,1008.81 ccw(c466.35,993.46) 451,993.46 ccw(c466.35,993.46) 466.35,978.11 488.65,978.11 cw(c488.65,962.76) 504,962.76 cw(c488.65,962.76) 488.65,947.41 466.35,947.41 ccw(c466.35,932.05) 451,932.05 ccw(c466.35,932.05) 466.35,916.7 485.65,916.7 cw(c485.65,901.35) 501,901.35 501,896 501,862 752.46,610.54 990.92,610.54 U2.37@991.3,610.16
Code0_BufferOut: P3.3 U2.12 | length 1063.8
  Top Layer w10.7: U2.12@1280.7,610.16 1593.05,610.16 1636.1,567.1 1639.89,563.32 ccw(c1647.45,570.89) 1655.02,563.32 1661.35,569.64 cw(c1668.67,562.32) 1675.99,569.64 cw(c1668.67,562.32) 1675.99,555.01 1669.41,548.43 ccw(c1676.73,541.11) 1669.41,533.79 ccw(c1676.73,541.11) 1684.05,533.79 1690.62,540.37 cw(c1697.94,533.05) 1705.26,540.37 cw(c1697.94,533.05) 1705.26,525.73 1698.69,519.15 ccw(c1706.01,511.83) 1698.69,504.51 ccw(c1706.01,511.83) 1713.33,504.51 1719.9,511.09 cw(c1727.22,503.77) 1734.54,511.09 cw(c1727.22,503.77) 1734.54,496.45 1725.06,486.97 ccw(c1732.38,479.65) 1725.06,472.33 ccw(c1732.38,479.65) 1739.7,472.33 1749.18,481.81 cw(c1756.5,474.49) 1763.82,481.81 cw(c1756.5,474.49) 1763.82,467.17 1749.66,453.01 ccw(c1756.97,445.69) 1749.66,438.37 ccw(c1756.98,445.69) 1764.29,438.37 1778.46,452.53 cw(c1785.78,445.21) 1793.1,452.53 cw(c1785.78,445.21) 1793.1,437.9 1768.73,413.53 ccw(c1776.05,406.21) 1768.73,398.89 ccw(c1776.05,406.21) 1783.37,398.89 1786.27,401.79 cw(c1793.84,394.23) 1801.41,401.79 1823.82,379.39 1827.6,375.6 1890.43,312.77 1931.23,312.77 P3.3@1937,307
Code1: J13.14 U2.36 | length 1885.6
  Top Layer w10.7: J13.14@670,1770 567,1667 567,1345 567,1304.18 cw(c551.65,1304.18) 551.65,1288.83 ccw(c551.65,1273.48) 536.3,1273.48 ccw(c551.65,1273.48) 551.65,1258.13 cw(c551.65,1242.78) 567,1242.78 cw(c551.65,1242.78) 551.65,1227.43 541.31,1227.43 ccw(c541.31,1212.08) 525.96,1212.08 ccw(c541.31,1212.08) 541.31,1196.73 551.65,1196.73 cw(c551.65,1181.37) 567,1181.37 cw(c551.65,1181.37) 551.65,1166.02 536.05,1166.02 ccw(c536.05,1150.67) 520.7,1150.67 ccw(c536.05,1150.67) 536.05,1135.32 551.65,1135.32 cw(c551.65,1119.97) 567,1119.97 cw(c551.65,1119.97) 551.65,1104.62 536.05,1104.62 ccw(c536.05,1089.27) 520.7,1089.27 ccw(c536.05,1089.27) 536.05,1073.92 551.65,1073.92 cw(c551.65,1058.57) 567,1058.57 cw(c551.65,1058.57) 551.65,1043.21 536.05,1043.21 ccw(c536.05,1027.86) 520.7,1027.86 ccw(c536.05,1027.86) 536.05,1012.51 551.65,1012.51 cw(c551.65,997.16) 567,997.16 cw(c551.65,997.16) 551.65,981.81 536.05,981.81 ccw(c536.05,966.46) 520.7,966.46 ccw(c536.05,966.46) 536.05,951.11 551.65,951.11 cw(c551.65,935.76) 567,935.76 cw(c551.65,935.76) 551.65,920.41 540.27,920.41 ccw(c540.27,905.05) 524.92,905.05 ccw(c540.27,905.05) 540.27,889.7 551.65,889.7 cw(c551.65,874.35) 567,874.35 567,869 567,860.41 797.18,630.22 990.92,630.22 U2.36@991.3,629.84
Code1_BufferOut: P3.4 U2.13 | length 1067.4
  Top Layer w10.7: U2.13@1280.7,629.84 1714.16,629.84 1873.37,470.63 1877.15,466.85 ccw(c1884.72,474.41) 1892.29,466.84 1892.63,467.18 cw(c1899.94,459.86) 1907.26,467.18 cw(c1899.94,459.86) 1907.26,452.54 1879.48,424.75 ccw(c1886.8,417.43) 1879.48,410.11 ccw(c1886.8,417.43) 1894.11,410.11 1921.9,437.9 cw(c1929.22,430.58) 1936.54,437.9 cw(c1929.22,430.58) 1936.54,423.26 1915.09,401.81 ccw(c1922.41,394.49) 1915.09,387.17 ccw(c1922.41,394.49) 1929.73,387.17 1935.71,393.15 cw(c1943.28,385.59) 1950.85,393.15 1984.59,359.41 1988.37,355.63 P3.4@2037,307